# Altium PCB Sensor.PcbDoc (part 2 of 3) (continued)
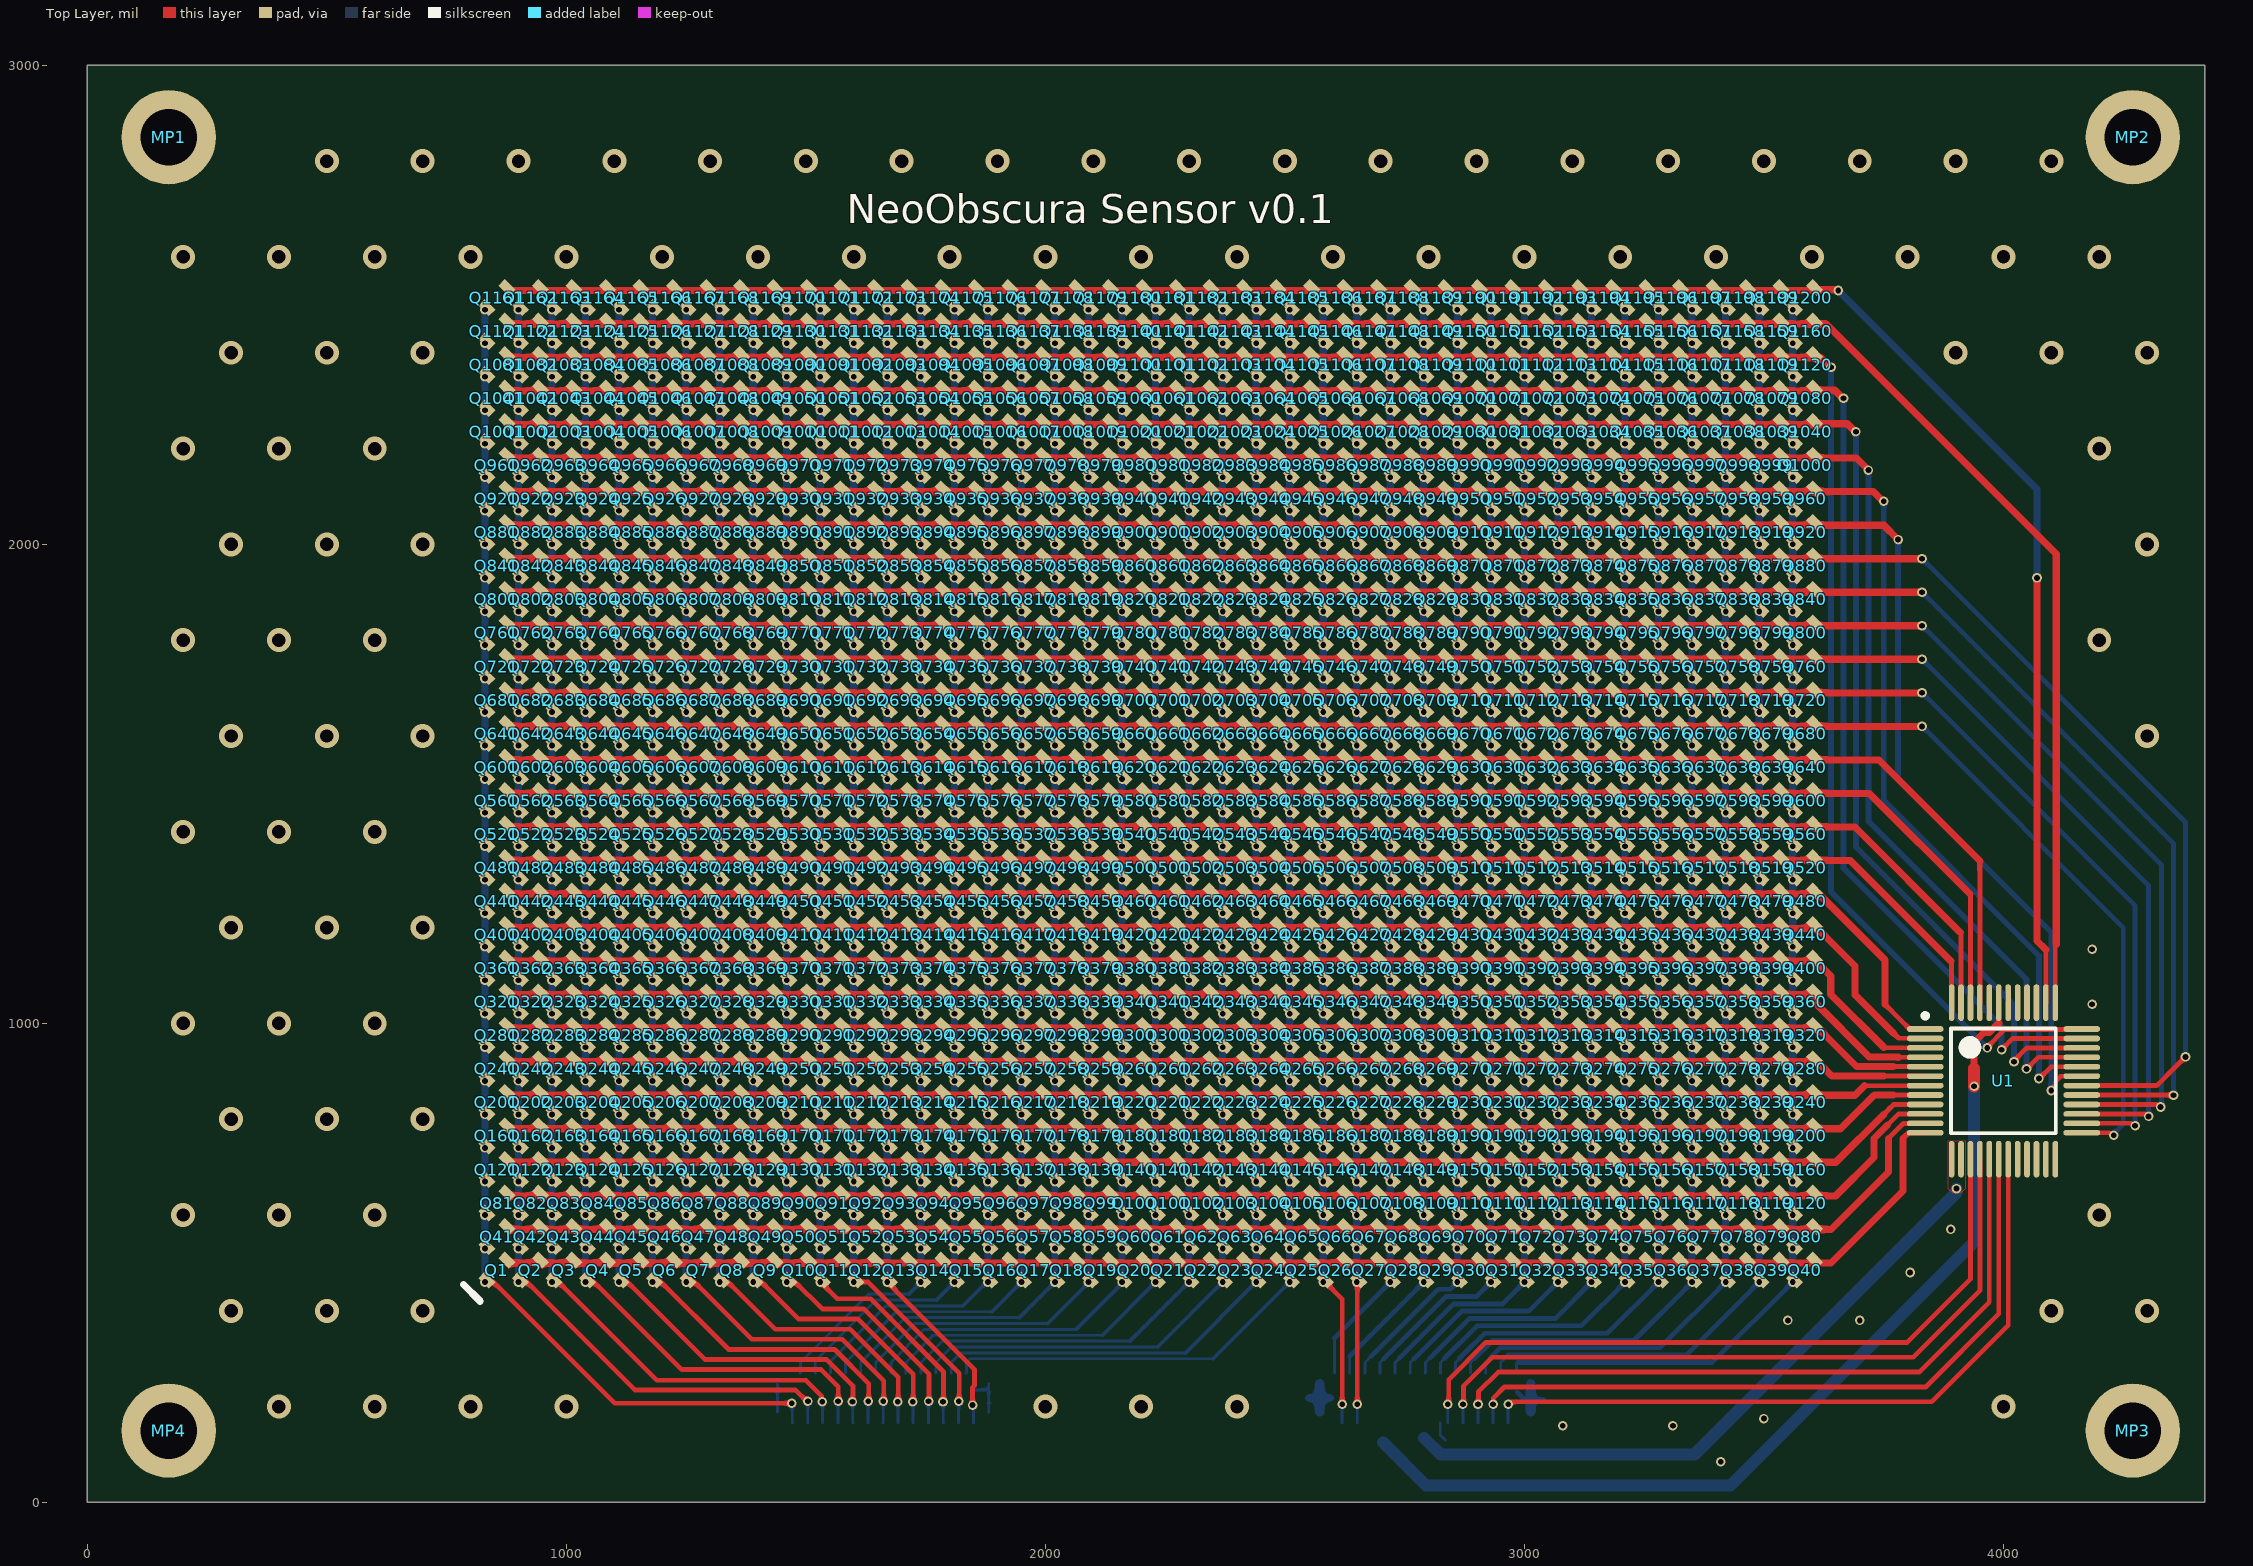
[diagram p0: Top Layer view]
## Components (designator, comment, footprint, x,y, rotation, side; value= is the part's Value field where it differs from the comment) (continued)
Q1174 "PT0805CS" "0805 Phototransistor" 1765,2515 r45 top
Q1175 "PT0805CS" "0805 Phototransistor" 1835,2515 r45 top
Q1176 "PT0805CS" "0805 Phototransistor" 1905,2515 r45 top
Q1177 "PT0805CS" "0805 Phototransistor" 1975,2515 r45 top
Q1178 "PT0805CS" "0805 Phototransistor" 2045,2515 r45 top
Q1179 "PT0805CS" "0805 Phototransistor" 2115,2515 r45 top
Q1180 "PT0805CS" "0805 Phototransistor" 2185,2515 r45 top
Q1181 "PT0805CS" "0805 Phototransistor" 2255,2515 r45 top
Q1182 "PT0805CS" "0805 Phototransistor" 2325,2515 r45 top
Q1183 "PT0805CS" "0805 Phototransistor" 2395,2515 r45 top
Q1184 "PT0805CS" "0805 Phototransistor" 2465,2515 r45 top
Q1185 "PT0805CS" "0805 Phototransistor" 2535,2515 r45 top
Q1186 "PT0805CS" "0805 Phototransistor" 2605,2515 r45 top
Q1187 "PT0805CS" "0805 Phototransistor" 2675,2515 r45 top
Q1188 "PT0805CS" "0805 Phototransistor" 2745,2515 r45 top
Q1189 "PT0805CS" "0805 Phototransistor" 2815,2515 r45 top
Q1190 "PT0805CS" "0805 Phototransistor" 2885,2515 r45 top
Q1191 "PT0805CS" "0805 Phototransistor" 2955,2515 r45 top
Q1192 "PT0805CS" "0805 Phototransistor" 3025,2515 r45 top
Q1193 "PT0805CS" "0805 Phototransistor" 3095,2515 r45 top
Q1194 "PT0805CS" "0805 Phototransistor" 3165,2515 r45 top
Q1195 "PT0805CS" "0805 Phototransistor" 3235,2515 r45 top
Q1196 "PT0805CS" "0805 Phototransistor" 3305,2515 r45 top
Q1197 "PT0805CS" "0805 Phototransistor" 3375,2515 r45 top
Q1198 "PT0805CS" "0805 Phototransistor" 3445,2515 r45 top
Q1199 "PT0805CS" "0805 Phototransistor" 3515,2515 r45 top
Q1200 "PT0805CS" "0805 Phototransistor" 3585,2515 r45 top
U1 "ADG732BSUZ" ADI-SU-48_M 4000,880 r0 top

## Footprints (in the part's own frame and the unit in brackets; to place one, negate y for a bottom-side part, rotate by r counter-clockwise, add the part's x,y. Pads: shape width x height; smd on the part's side, far side on the other; paste and mask are expansions set on the pad)
"0805 Phototransistor" [mm]
  rect 0.5x0.8 smd: C(-0.75,0) E(0.75,0)
  body extent -1.02,-0.54 0.98,0.51, height 1
501745-0501 [mm]
  rect 0.22x0.9 smd: 1(4.8,-1.315) 2(4.8,1.315) 3(4.4,-1.315) 4(4.4,1.315) 5(4,-1.315) 6(4,1.315) 7(3.6,-1.315) 8(3.6,1.315) 9(3.2,-1.315) 10(3.2,1.315) 11(2.8,-1.315) 12(2.8,1.315) 13(2.4,-1.315) 14(2.4,1.315) 15(2,-1.315) 16(2,1.315) 17(1.6,-1.315) 18(1.6,1.315) 19(1.2,-1.315) 20(1.2,1.315) 21(0.8,-1.315) 22(0.8,1.315) 23(0.4,-1.315) 24(0.4,1.315) 25(0,-1.315) 26(0,1.315) 27(-0.4,-1.315) 28(-0.4,1.315) 29(-0.8,-1.315) 30(-0.8,1.315) 31(-1.2,-1.315) 32(-1.2,1.315) 33(-1.6,-1.315) 34(-1.6,1.315) 35(-2,-1.315) 36(-2,1.315) 37(-2.4,-1.315) 38(-2.4,1.315) 39(-2.8,-1.315) 40(-2.8,1.315) 41(-3.2,-1.315) 42(-3.2,1.315) 43(-3.6,-1.315) 44(-3.6,1.315) 45(-4,-1.315) 46(-4,1.315) 47(-4.4,-1.315) 48(-4.4,1.315) 49(-4.8,-1.315) 50(-4.8,1.315)
  rect 0.5x0.85 smd: MP1(5.6,-0.74) MP2(5.6,0.74) MP3(-5.6,-0.74) MP4(-5.6,0.74)
  silkscreen extent 4.75,-2.4 4.85,-2.3, body extent -6,-1.57 6,1.57, height 1.72
ADI-SU-48_M [mm] "QFP, 48-Leads, Body 7x7mm, Pitch 0.5mm, IPC Low Density"
  oval 1.95x0.3 smd: 1(-4.15,2.75) 2(-4.15,2.25) 3(-4.15,1.75) 4(-4.15,1.25) 5(-4.15,0.75) 6(-4.15,0.25) 7(-4.15,-0.25) 8(-4.15,-0.75) 9(-4.15,-1.25) 10(-4.15,-1.75) 11(-4.15,-2.25) 12(-4.15,-2.75) 25(4.15,-2.75) 26(4.15,-2.25) 27(4.15,-1.75) 28(4.15,-1.25) 29(4.15,-0.75) 30(4.15,-0.25) 31(4.15,0.25) 32(4.15,0.75) 33(4.15,1.25) 34(4.15,1.75) 35(4.15,2.25) 36(4.15,2.75)
  oval 0.3x1.95 smd: 13(-2.75,-4.15) 14(-2.25,-4.15) 15(-1.75,-4.15) 16(-1.25,-4.15) 17(-0.75,-4.15) 18(-0.25,-4.15) 19(0.25,-4.15) 20(0.75,-4.15) 21(1.25,-4.15) 22(1.75,-4.15) 23(2.25,-4.15) 24(2.75,-4.15) 37(2.75,4.15) 38(2.25,4.15) 39(1.75,4.15) 40(1.25,4.15) 41(0.75,4.15) 42(0.25,4.15) 43(-0.25,4.15) 44(-0.75,4.15) 45(-1.25,4.15) 46(-1.75,4.15) 47(-2.25,4.15) 48(-2.75,4.15)
  silkscreen extent -4.27,-2.78 2.78,3.57, body extent -3.5,-3.5 3.5,3.5, height 1.2
"M3 MOUNTING HOLE"#1 [mm]
  round 5 hole 3: 1(-0.254,0.762)
"M3 MOUNTING HOLE"#2 [mm]
  round 5 hole 3: 1(0.254,0.762)
"M3 MOUNTING HOLE"#3 [mm]
  round 5 hole 3: 1(0.254,-0.762)
"M3 MOUNTING HOLE"#4 [mm]
  round 5 hole 3: 1(-0.254,-0.762)

## Part data
J1 J2: "Board Connector, 50 Contact(s), 2 Row(s), Male, Straight, 0.016 inch Pitch, Surface Mount Terminal, Locking, Black Insulator, Plug", Manufacturer=Molex, Category="Headers and Wire Housings", ComponentLink1Description=https://datasheet.ciiva.com/401/5017450401-sd-401812.pdf?src-supplier=Digi-Key, ComponentLink1URL=https://datasheet.ciiva.com/401/5017450401-sd-401812.pdf?src-supplier=Digi-Key, ComponentLink2Description=https://datasheet.ciiva.com/5130/5017450501-pcb-headers-155391-5130000.pdf?src-supplier=Mouser, ComponentLink2URL=https://datasheet.ciiva.com/5130/5017450501-pcb-headers-155391-5130000.pdf?src-supplier=Mouser, ComponentLink3Description=https://datasheet.ciiva.com/10071/5017450501-pcb-headers-10071686.pdf?src-supplier=Avnet, ComponentLink3URL=https://datasheet.ciiva.com/10071/5017450501-pcb-headers-10071686.pdf?src-supplier=Avnet, Connector Type="BOARD CONNECTOR", Contact Finish - Mating="NOT SPECIFIED", Manufacturer Part Number=501745-0501, Pricing="1=1.5127, 10=1.3668, 100=1.2034, 1000=1.0168, 2500=0.8155 (USD)", Reach SVHC Compliant=Yes, RoHS=Yes, RoHS Compliant=Yes, Stock=14564, Supplier="Arrow Electronics", Supplier Part Number=501745-0501
Q1 Q2 Q3 Q4 Q5 Q6 Q7 Q8 Q9 Q10 Q11 Q12 Q13 Q14 Q15 Q16 Q17 Q18 Q19 Q20 Q21 Q22 Q23 Q24 Q25 Q26 Q27 Q28 Q29 Q30 Q31 Q32 Q33 Q34 Q35 Q36 Q37 Q38 Q39 Q40 Q41 Q42 Q43 Q44 Q45 Q46 Q47 Q48 Q49 Q50 Q51 Q52 Q53 Q54 Q55 Q56 Q57 Q58 Q59 Q60 Q61 Q62 Q63 Q64 Q65 Q66 Q67 Q68 Q69 Q70 Q71 Q72 Q73 Q74 Q75 Q76 Q77 Q78 Q79 Q80 Q81 Q82 Q83 Q84 Q85 Q86 Q87 Q88 Q89 Q90 Q91 Q92 Q93 Q94 Q95 Q96 Q97 Q98 Q99 Q100 Q101 Q102 Q103 Q104 Q105 Q106 Q107 Q108 Q109 Q110 Q111 Q112 Q113 Q114 Q115 Q116 Q117 Q118 Q119 Q120 Q121 Q122 Q123 Q124 Q125 Q126 Q127 Q128 Q129 Q130 Q131 Q132 Q133 Q134 Q135 Q136 Q137 Q138 Q139 Q140 Q141 Q142 Q143 Q144 Q145 Q146 Q147 Q148 Q149 Q150 Q151 Q152 Q153 Q154 Q155 Q156 Q157 Q158 Q159 Q160 Q161 Q162 Q163 Q164 Q165 Q166 Q167 Q168 Q169 Q170 Q171 Q172 Q173 Q174 Q175 Q176 Q177 Q178 Q179 Q180 Q181 Q182 Q183 Q184 Q185 Q186 Q187 Q188 Q189 Q190 Q191 Q192 Q193 Q194 Q195 Q196 Q197 Q198 Q199 Q200 Q201 Q202 Q203 Q204 Q205 Q206 Q207 Q208 Q209 Q210 Q211 Q212 Q213 Q214 Q215 Q216 Q217 Q218 Q219 Q220 Q221 Q222 Q223 Q224 Q225 Q226 Q227 Q228 Q229 Q230 Q231 Q232 Q233 Q234 Q235 Q236 Q237 Q238 Q239 Q240 Q241 Q242 Q243 Q244 Q245 Q246 Q247 Q248 Q249 Q250 Q251 Q252 Q253 Q254 Q255 Q256 Q257 Q258 Q259 Q260 Q261 Q262 Q263 Q264 Q265 Q266 Q267 Q268 Q269 Q270 Q271 Q272 Q273 Q274 Q275 Q276 Q277 Q278 Q279 Q280 Q281 Q282 Q283 Q284 Q285 Q286 Q287 Q288 Q289 Q290 Q291 Q292 Q293 Q294 Q295 Q296 Q297 Q298 Q299 Q300 Q301 Q302 Q303 Q304 Q305 Q306 Q307 Q308 Q309 Q310 Q311 Q312 Q313 Q314 Q315 Q316 Q317 Q318 Q319 Q320 Q321 Q322 Q323 Q324 Q325 Q326 Q327 Q328 Q329 Q330 Q331 Q332 Q333 Q334 Q335 Q336 Q337 Q338 Q339 Q340 Q341 Q342 Q343 Q344 Q345 Q346 Q347 Q348 Q349 Q350 Q351 Q352 Q353 Q354 Q355 Q356 Q357 Q358 Q359 Q360 Q361 Q362 Q363 Q364 Q365 Q366 Q367 Q368 Q369 Q370 Q371 Q372 Q373 Q374 Q375 Q376 Q377 Q378 Q379 Q380 Q381 Q382 Q383 Q384 Q385 Q386 Q387 Q388 Q389 Q390 Q391 Q392 Q393 Q394 Q395 Q396 Q397 Q398 Q399 Q400 Q401 Q402 Q403 Q404 Q405 Q406 Q407 Q408 Q409 Q410 Q411 Q412 Q413 Q414 Q415 Q416 Q417 Q418 Q419 Q420 Q421 Q422 Q423 Q424 Q425 Q426 Q427 Q428 Q429 Q430 Q431 Q432 Q433 Q434 Q435 Q436 Q437 Q438 Q439 Q440 Q441 Q442 Q443 Q444 Q445 Q446 Q447 Q448 Q449 Q450 Q451 Q452 Q453 Q454 Q455 Q456 Q457 Q458 Q459 Q460 Q461 Q462 Q463 Q464 Q465 Q466 Q467 Q468 Q469 Q470 Q471 Q472 Q473 Q474 Q475 Q476 Q477 Q478 Q479 Q480 Q481 Q482 Q483 Q484 Q485 Q486 Q487 Q488 Q489 Q490 Q491 Q492 Q493 Q494 Q495 Q496 Q497 Q498 Q499 Q500 Q501 Q502 Q503 Q504 Q505 Q506 Q507 Q508 Q509 Q510 Q511 Q512 Q513 Q514 Q515 Q516 Q517 Q518 Q519 Q520 Q521 Q522 Q523 Q524 Q525 Q526 Q527 Q528 Q529 Q530 Q531 Q532 Q533 Q534 Q535 Q536 Q537 Q538 Q539 Q540 Q541 Q542 Q543 Q544 Q545 Q546 Q547 Q548 Q549 Q550 Q551 Q552 Q553 Q554 Q555 Q556 Q557 Q558 Q559 Q560 Q561 Q562 Q563 Q564 Q565 Q566 Q567 Q568 Q569 Q570 Q571 Q572 Q573 Q574 Q575 Q576 Q577 Q578 Q579 Q580 Q581 Q582 Q583 Q584 Q585 Q586 Q587 Q588 Q589 Q590 Q591 Q592 Q593 Q594 Q595 Q596 Q597 Q598 Q599 Q600 Q601 Q602 Q603 Q604 Q605 Q606 Q607 Q608 Q609 Q610 Q611 Q612 Q613 Q614 Q615 Q616 Q617 Q618 Q619 Q620 Q621 Q622 Q623 Q624 Q625 Q626 Q627 Q628 Q629 Q630 Q631 Q632 Q633 Q634 Q635 Q636 Q637 Q638 Q639 Q640 Q641 Q642 Q643 Q644 Q645 Q646 Q647 Q648 Q649 Q650 Q651 Q652 Q653 Q654 Q655 Q656 Q657 Q658 Q659 Q660 Q661 Q662 Q663 Q664 Q665 Q666 Q667 Q668 Q669 Q670 Q671 Q672 Q673 Q674 Q675 Q676 Q677 Q678 Q679 Q680 Q681 Q682 Q683 Q684 Q685 Q686 Q687 Q688 Q689 Q690 Q691 Q692 Q693 Q694 Q695 Q696 Q697 Q698 Q699 Q700 Q701 Q702 Q703 Q704 Q705 Q706 Q707 Q708 Q709 Q710 Q711 Q712 Q713 Q714 Q715 Q716 Q717 Q718 Q719 Q720 Q721 Q722 Q723 Q724 Q725 Q726 Q727 Q728 Q729 Q730 Q731 Q732 Q733 Q734 Q735 Q736 Q737 Q738 Q739 Q740 Q741 Q742 Q743 Q744 Q745 Q746 Q747 Q748 Q749 Q750 Q751 Q752 Q753 Q754 Q755 Q756 Q757 Q758 Q759 Q760 Q761 Q762 Q763 Q764 Q765 Q766 Q767 Q768 Q769 Q770 Q771 Q772 Q773 Q774 Q775 Q776 Q777 Q778 Q779 Q780 Q781 Q782 Q783 Q784 Q785 Q786 Q787 Q788 Q789 Q790 Q791 Q792 Q793 Q794 Q795 Q796 Q797 Q798 Q799 Q800 Q801 Q802 Q803 Q804 Q805 Q806 Q807 Q808 Q809 Q810 Q811 Q812 Q813 Q814 Q815 Q816 Q817 Q818 Q819 Q820 Q821 Q822 Q823 Q824 Q825 Q826 Q827 Q828 Q829 Q830 Q831 Q832 Q833 Q834 Q835 Q836 Q837 Q838 Q839 Q840 Q841 Q842 Q843 Q844 Q845 Q846 Q847 Q848 Q849 Q850 Q851 Q852 Q853 Q854 Q855 Q856 Q857 Q858 Q859 Q860 Q861 Q862 Q863 Q864 Q865 Q866 Q867 Q868 Q869 Q870 Q871 Q872 Q873 Q874 Q875 Q876 Q877 Q878 Q879 Q880 Q881 Q882 Q883 Q884 Q885 Q886 Q887 Q888 Q889 Q890 Q891 Q892 Q893 Q894 Q895 Q896 Q897 Q898 Q899 Q900 Q901 Q902 Q903 Q904 Q905 Q906 Q907 Q908 Q909 Q910 Q911 Q912 Q913 Q914 Q915 Q916 Q917 Q918 Q919 Q920 Q921 Q922 Q923 Q924 Q925 Q926 Q927 Q928 Q929 Q930 Q931 Q932 Q933 Q934 Q935 Q936 Q937 Q938 Q939 Q940 Q941 Q942 Q943 Q944 Q945 Q946 Q947 Q948 Q949 Q950 Q951 Q952 Q953 Q954 Q955 Q956 Q957 Q958 Q959 Q960 Q961 Q962 Q963 Q964 Q965 Q966 Q967 Q968 Q969 Q970 Q971 Q972 Q973 Q974 Q975 Q976 Q977 Q978 Q979 Q980 Q981 Q982 Q983 Q984 Q985 Q986 Q987 Q988 Q989 Q990 Q991 Q992 Q993 Q994 Q995 Q996 Q997 Q998 Q999 Q1000 Q1001 Q1002 Q1003 Q1004 Q1005 Q1006 Q1007 Q1008 Q1009 Q1010 Q1011 Q1012 Q1013 Q1014 Q1015 Q1016 Q1017 Q1018 Q1019 Q1020 Q1021 Q1022 Q1023 Q1024 Q1025 Q1026 Q1027 Q1028 Q1029 Q1030 Q1031 Q1032 Q1033 Q1034 Q1035 Q1036 Q1037 Q1038 Q1039 Q1040 Q1041 Q1042 Q1043 Q1044 Q1045 Q1046 Q1047 Q1048 Q1049 Q1050 Q1051 Q1052 Q1053 Q1054 Q1055 Q1056 Q1057 Q1058 Q1059 Q1060 Q1061 Q1062 Q1063 Q1064 Q1065 Q1066 Q1067 Q1068 Q1069 Q1070 Q1071 Q1072 Q1073 Q1074 Q1075 Q1076 Q1077 Q1078 Q1079 Q1080 Q1081 Q1082 Q1083 Q1084 Q1085 Q1086 Q1087 Q1088 Q1089 Q1090 Q1091 Q1092 Q1093 Q1094 Q1095 Q1096 Q1097 Q1098 Q1099 Q1100 Q1101 Q1102 Q1103 Q1104 Q1105 Q1106 Q1107 Q1108 Q1109 Q1110 Q1111 Q1112 Q1113 Q1114 Q1115 Q1116 Q1117 Q1118 Q1119 Q1120 Q1121 Q1122 Q1123 Q1124 Q1125 Q1126 Q1127 Q1128 Q1129 Q1130 Q1131 Q1132 Q1133 Q1134 Q1135 Q1136 Q1137 Q1138 Q1139 Q1140 Q1141 Q1142 Q1143 Q1144 Q1145 Q1146 Q1147 Q1148 Q1149 Q1150 Q1151 Q1152 Q1153 Q1154 Q1155 Q1156 Q1157 Q1158 Q1159 Q1160 Q1161 Q1162 Q1163 Q1164 Q1165 Q1166 Q1167 Q1168 Q1169 Q1170 Q1171 Q1172 Q1173 Q1174 Q1175 Q1176 Q1177 Q1178 Q1179 Q1180 Q1181 Q1182 Q1183 Q1184 Q1185 Q1186 Q1187 Q1188 Q1189 Q1190 Q1191 Q1192 Q1193 Q1194 Q1195 Q1196 Q1197 Q1198 Q1199 Q1200: "Phototransistor"
U1: library part CMP-0798-00241-1, "1.8 to 5.5 V / +/-2.5 V, 4 Ohm, 32-Channel Analog Multiplexer, -40 to 85 degC, 48-pin QFP (SU-48), Tray", Manufacturer="Analog Devices", Bandwidth (Hz)=18M, Code_JEDEC=MS-026ABC, ComponentLink1Description="Manufacturer URL", ComponentLink1URL=http://www.analog.com/en/index.html, ComponentLink2Description=Datasheet, ComponentLink2URL=http://www.analog.com/static/imported-files/data_sheets/ADG726_732.pdf, ComponentLink3Description="Package Specification", ComponentLink3URL=http://www.analog.com/static/imported-files/packages/470644706845302410119987SU48_7x7.pdf, DatasheetVersion="Rev. 0", Max Analog Signal Range="Vss to Vdd", Mounting Technology="Surface Mount", PackageDescription="48-Pin Thin Plastic Quad Flat Package, Body 7 x 7 mm, Pitch 0.5 mm", PackageReference=SU-48, Packing=Tray, PartNumber=ADG732BSUZ, Ron (ohms)=4, Supply V Guar Performance="Dual_(+/-2.5V), Single_(+3V), Single_(+5V)", t transition (s)=23n

## Via types
v1: diameter 20, hole 12, Top Layer to Bottom Layer, 1258 vias
v2: diameter 50, hole 28, Top Layer to Bottom Layer, 91 vias

## Nets (pads, with @x,y where several pads share a name; then routed paths per layer and width w, separated by ;. In a path a pad name is that pad's centre, name@x,y a point inside that pad or via, vN(x,y) a via of type N, cw(c..) or ccw(c..) an arc to the next point about the centre after c; other vN are vias at no path point)
+5: J1.24 J1.26 J1.28 J1.30 U1.13 U1.14 | length 1361.2
  Bottom Layer w25: 2790,135 2825,100 3355,100 3901.95,646.95 v1(3901.95,655.2)
COL_0: J2.1 Q1.C Q41.C Q81.C Q121.C Q161.C Q201.C Q241.C Q281.C Q321.C Q361.C Q401.C Q441.C Q481.C Q521.C Q561.C Q601.C Q641.C Q681.C Q721.C Q761.C Q801.C Q841.C Q881.C Q921.C Q961.C Q1001.C Q1041.C Q1081.C Q1121.C Q1161.C | length 2816.6
  Top Layer w6: v1(830,460) Q1.C@847.92,460
  Top Layer w10: Q1.C@847.92,460 1100.94,206.98 v1(1470.6,206.98)
  Bottom Layer w6: v1(1470.6,206.98) 1471.44,206.14 1471.44,167.3 J2.1@1472.28,166.46
  Bottom Layer w15: v1(830,460) v1(830,530) v1(830,600) v1(830,670) v1(830,740) v1(830,810) v1(830,880) v1(830,950) v1(830,1020) v1(830,1090) v1(830,1160) v1(830,1230) v1(830,1300) v1(830,1370) v1(830,1440) v1(830,1510) v1(830,1580) v1(830,1650) v1(830,1720) v1(830,1790) v1(830,1860) v1(830,1930) v1(830,2000) v1(830,2070) v1(830,2140) v1(830,2210) v1(830,2280) v1(830,2350) v1(830,2420) v1(830,2490)
COL_1: J2.5 Q2.C Q42.C Q82.C Q122.C Q162.C Q202.C Q242.C Q282.C Q322.C Q362.C Q402.C Q442.C Q482.C Q522.C Q562.C Q602.C Q642.C Q682.C Q722.C Q762.C Q802.C Q842.C Q882.C Q922.C Q962.C Q1002.C Q1042.C Q1082.C Q1122.C Q1162.C | length 2782.3
  Top Layer w6: v1(900,460) Q2.C@917.92,460
  Top Layer w10: Q2.C@917.92,460 1142.92,235 1477.93,235 1501.52,211.41 v1(1504.23,211.41)
  Bottom Layer w6: J2.5@1503.78,166.46 1504,166.68 1504,211.19 v1(1504.23,211.41)
  Bottom Layer w15: v1(900,460) v1(900,530) v1(900,600) v1(900,670) v1(900,740) v1(900,810) v1(900,880) v1(900,950) v1(900,1020) v1(900,1090) v1(900,1160) v1(900,1230) v1(900,1300) v1(900,1370) v1(900,1440) v1(900,1510) v1(900,1580) v1(900,1650) v1(900,1720) v1(900,1790) v1(900,1860) v1(900,1930) v1(900,2000) v1(900,2070) v1(900,2140) v1(900,2210) v1(900,2280) v1(900,2350) v1(900,2420) v1(900,2490)
COL_2: J2.9 Q3.C Q43.C Q83.C Q123.C Q163.C Q203.C Q243.C Q283.C Q323.C Q363.C Q403.C Q443.C Q483.C Q523.C Q563.C Q603.C Q643.C Q683.C Q723.C Q763.C Q803.C Q843.C Q883.C Q923.C Q963.C Q1003.C Q1043.C Q1083.C Q1123.C Q1163.C | length 2745.7
  Top Layer w6: Q3.C@974.12,464.12 Q3.C@979.91,464.12
  Top Layer w10: Q3.C@979.91,464.12 1189.03,255 1500,255 1532.3,222.7 1532.3,212.34 v1(1534.21,210.43)
  Bottom Layer w6: v1(1534.21,210.43) 1534.86,209.78 1534.86,166.87 J2.9@1535.28,166.46
  Bottom Layer w15: v1(970,460) v1(970,530) v1(970,600) v1(970,670) v1(970,740) v1(970,810) v1(970,880) v1(970,950) v1(970,1020) v1(970,1090) v1(970,1160) v1(970,1230) v1(970,1300) v1(970,1370) v1(970,1440) v1(970,1510) v1(970,1580) v1(970,1650) v1(970,1720) v1(970,1790) v1(970,1860) v1(970,1930) v1(970,2000) v1(970,2070) v1(970,2140) v1(970,2210) v1(970,2280) v1(970,2350) v1(970,2420) v1(970,2490)
COL_3: J2.13 Q4.C Q44.C Q84.C Q124.C Q164.C Q204.C Q244.C Q284.C Q324.C Q364.C Q404.C Q444.C Q484.C Q524.C Q564.C Q604.C Q644.C Q684.C Q724.C Q764.C Q804.C Q844.C Q884.C Q924.C Q964.C Q1004.C Q1044.C Q1084.C Q1124.C Q1164.C | length 2723.5
  Top Layer w6: v1(1040,460) Q4.C@1057.92,460
  Top Layer w10: Q4.C@1057.92,460 1240.7,277.22 1531.77,277.22 1567.65,241.34 1567.65,211.84 v1(1567.15,211.34)
  Bottom Layer w6: J2.13@1566.77,166.46 1566.96,166.65 1566.96,211.15 v1(1567.15,211.34)
  Bottom Layer w15: v1(1040,460) v1(1040,530) v1(1040,600) v1(1040,670) v1(1040,740) v1(1040,810) v1(1040,880) v1(1040,950) v1(1040,1020) v1(1040,1090) v1(1040,1160) v1(1040,1230) v1(1040,1300) v1(1040,1370) v1(1040,1440) v1(1040,1510) v1(1040,1580) v1(1040,1650) v1(1040,1720) v1(1040,1790) v1(1040,1860) v1(1040,1930) v1(1040,2000) v1(1040,2070) v1(1040,2140) v1(1040,2210) v1(1040,2280) v1(1040,2350) v1(1040,2420) v1(1040,2490)
COL_4: J2.17 Q5.C Q45.C Q85.C Q125.C Q165.C Q205.C Q245.C Q285.C Q325.C Q365.C Q405.C Q445.C Q485.C Q525.C Q565.C Q605.C Q645.C Q685.C Q725.C Q765.C Q805.C Q845.C Q885.C Q925.C Q965.C Q1005.C Q1045.C Q1085.C Q1125.C Q1165.C | length 2687.5
  Top Layer w6: v1(1110,460) Q5.C@1114.12,460 ; Q5.C@1114.12,464.12 Q5.C@1123.8,464.12
  Top Layer w10: Q5.C@1123.8,464.12 1289.59,298.33 1543.3,298.33 1598.27,243.36 1598.27,211.49 v1(1597.2,210.43)
  Bottom Layer w6: v1(1597.2,210.43) 1597.85,209.78 1597.85,166.87 J2.17@1598.27,166.46
  Bottom Layer w15: v1(1110,460) v1(1110,530) v1(1110,600) v1(1110,670) v1(1110,740) v1(1110,810) v1(1110,880) v1(1110,950) v1(1110,1020) v1(1110,1090) v1(1110,1160) v1(1110,1230) v1(1110,1300) v1(1110,1370) v1(1110,1440) v1(1110,1510) v1(1110,1580) v1(1110,1650) v1(1110,1720) v1(1110,1790) v1(1110,1860) v1(1110,1930) v1(1110,2000) v1(1110,2070) v1(1110,2140) v1(1110,2210) v1(1110,2280) v1(1110,2350) v1(1110,2420) v1(1110,2490)
COL_5: J2.21 Q6.C Q46.C Q86.C Q126.C Q166.C Q206.C Q246.C Q286.C Q326.C Q366.C Q406.C Q446.C Q486.C Q526.C Q566.C Q606.C Q646.C Q686.C Q726.C Q766.C Q806.C Q846.C Q886.C Q926.C Q966.C Q1006.C Q1046.C Q1086.C Q1126.C Q1166.C | length 2652.9
  Top Layer w6: v1(1180,460) Q6.C@1184.12,460 ; Q6.C@1184.12,464.12 Q6.C@1193.8,464.12
  Top Layer w10: Q6.C@1193.8,464.12 1338.47,319.44 1559.76,319.44 1631.21,248 1631.21,212.41 v1(1630.15,211.34)
  Bottom Layer w6: J2.21@1629.76,166.46 1629.95,166.65 1629.95,211.15 v1(1630.15,211.34)
  Bottom Layer w15: v1(1180,460) v1(1180,530) v1(1180,600) v1(1180,670) v1(1180,740) v1(1180,810) v1(1180,880) v1(1180,950) v1(1180,1020) v1(1180,1090) v1(1180,1160) v1(1180,1230) v1(1180,1300) v1(1180,1370) v1(1180,1440) v1(1180,1510) v1(1180,1580) v1(1180,1650) v1(1180,1720) v1(1180,1790) v1(1180,1860) v1(1180,1930) v1(1180,2000) v1(1180,2070) v1(1180,2140) v1(1180,2210) v1(1180,2280) v1(1180,2350) v1(1180,2420) v1(1180,2490)
COL_6: J2.25 Q7.C Q47.C Q87.C Q127.C Q167.C Q207.C Q247.C Q287.C Q327.C Q367.C Q407.C Q447.C Q487.C Q527.C Q567.C Q607.C Q647.C Q687.C Q727.C Q767.C Q807.C Q847.C Q887.C Q927.C Q967.C Q1007.C Q1047.C Q1087.C Q1127.C Q1167.C | length 2616.2
  Top Layer w6: v1(1250,460) Q7.C@1267.92,460
  Top Layer w10: Q7.C@1267.92,460 1387.36,340.56 1576.26,340.56 1662.7,254.11 1662.7,212.41 v1(1661.64,211.34)
  Bottom Layer w6: J2.25@1661.26,166.46 1661.45,166.65 1661.45,211.15 v1(1661.64,211.34)
  Bottom Layer w15: v1(1250,460) v1(1250,530) v1(1250,600) v1(1250,670) v1(1250,740) v1(1250,810) v1(1250,880) v1(1250,950) v1(1250,1020) v1(1250,1090) v1(1250,1160) v1(1250,1230) v1(1250,1300) v1(1250,1370) v1(1250,1440) v1(1250,1510) v1(1250,1580) v1(1250,1650) v1(1250,1720) v1(1250,1790) v1(1250,1860) v1(1250,1930) v1(1250,2000) v1(1250,2070) v1(1250,2140) v1(1250,2210) v1(1250,2280) v1(1250,2350) v1(1250,2420) v1(1250,2490)
COL_7: J2.29 Q8.C Q48.C Q88.C Q128.C Q168.C Q208.C Q248.C Q288.C Q328.C Q368.C Q408.C Q448.C Q488.C Q528.C Q568.C Q608.C Q648.C Q688.C Q728.C Q768.C Q808.C Q848.C Q888.C Q928.C Q968.C Q1008.C Q1048.C Q1088.C Q1128.C Q1168.C | length 2581
  Top Layer w6: v1(1320,460) Q8.C@1337.92,460
  Top Layer w10: Q8.C@1337.92,460 1436.25,361.67 1592.76,361.67 1692.76,261.67 1692.76,211.49 v1(1691.69,210.43)
  Bottom Layer w6: v1(1691.69,210.43) 1692.34,209.78 1692.34,166.87 J2.29@1692.76,166.46
  Bottom Layer w15: v1(1320,460) v1(1320,530) v1(1320,600) v1(1320,670) v1(1320,740) v1(1320,810) v1(1320,880) v1(1320,950) v1(1320,1020) v1(1320,1090) v1(1320,1160) v1(1320,1230) v1(1320,1300) v1(1320,1370) v1(1320,1440) v1(1320,1510) v1(1320,1580) v1(1320,1650) v1(1320,1720) v1(1320,1790) v1(1320,1860) v1(1320,1930) v1(1320,2000) v1(1320,2070) v1(1320,2140) v1(1320,2210) v1(1320,2280) v1(1320,2350) v1(1320,2420) v1(1320,2490)
COL_8: J2.33 Q9.C Q49.C Q89.C Q129.C Q169.C Q209.C Q249.C Q289.C Q329.C Q369.C Q409.C Q449.C Q489.C Q529.C Q569.C Q609.C Q649.C Q689.C Q729.C Q769.C Q809.C Q849.C Q889.C Q929.C Q969.C Q1009.C Q1049.C Q1089.C Q1129.C Q1169.C | length 2546.1
  Top Layer w6: v1(1390,460) Q9.C@1407.92,460
  Top Layer w10: Q9.C@1407.92,460 1485.14,382.78 1609.25,382.78 1724.25,267.78 1724.25,211.49 v1(1723.19,210.43)
  Bottom Layer w6: v1(1723.19,210.43) 1723.83,209.78 1723.83,166.87 J2.33@1724.25,166.46
  Bottom Layer w15: v1(1390,460) v1(1390,530) v1(1390,600) v1(1390,670) v1(1390,740) v1(1390,810) v1(1390,880) v1(1390,950) v1(1390,1020) v1(1390,1090) v1(1390,1160) v1(1390,1230) v1(1390,1300) v1(1390,1370) v1(1390,1440) v1(1390,1510) v1(1390,1580) v1(1390,1650) v1(1390,1720) v1(1390,1790) v1(1390,1860) v1(1390,1930) v1(1390,2000) v1(1390,2070) v1(1390,2140) v1(1390,2210) v1(1390,2280) v1(1390,2350) v1(1390,2420) v1(1390,2490)
COL_9: J2.37 Q10.C Q50.C Q90.C Q130.C Q170.C Q210.C Q250.C Q290.C Q330.C Q370.C Q410.C Q450.C Q490.C Q530.C Q570.C Q610.C Q650.C Q690.C Q730.C Q770.C Q810.C Q850.C Q890.C Q930.C Q970.C Q1010.C Q1050.C Q1090.C Q1130.C Q1170.C | length 2508.5
  Top Layer w6: v1(1460,460) Q10.C@1477.92,460
  Top Layer w10: Q10.C@1477.92,460 1534.03,403.89 1620.75,403.89 1757.19,267.44 1757.19,212.41 v1(1756.13,211.34)
  Bottom Layer w6: J2.37@1755.75,166.46 1755.94,166.65 1755.94,211.15 v1(1756.13,211.34)
  Bottom Layer w15: v1(1460,460) v1(1460,530) v1(1460,600) v1(1460,670) v1(1460,740) v1(1460,810) v1(1460,880) v1(1460,950) v1(1460,1020) v1(1460,1090) v1(1460,1160) v1(1460,1230) v1(1460,1300) v1(1460,1370) v1(1460,1440) v1(1460,1510) v1(1460,1580) v1(1460,1650) v1(1460,1720) v1(1460,1790) v1(1460,1860) v1(1460,1930) v1(1460,2000) v1(1460,2070) v1(1460,2140) v1(1460,2210) v1(1460,2280) v1(1460,2350) v1(1460,2420) v1(1460,2490)
COL_10: J2.41 Q11.C Q51.C Q91.C Q131.C Q171.C Q211.C Q251.C Q291.C Q331.C Q371.C Q411.C Q451.C Q491.C Q531.C Q571.C Q611.C Q651.C Q691.C Q731.C Q771.C Q811.C Q851.C Q891.C Q931.C Q971.C Q1011.C Q1051.C Q1091.C Q1131.C Q1171.C | length 2472.1
  Top Layer w6: v1(1530,460) Q11.C@1530.06,459.94
  Top Layer w10: v1(1530,460) 1565,425 1635,425 1787.24,272.76 1787.24,211.49 v1(1786.18,210.43)
  Bottom Layer w6: v1(1786.18,210.43) 1786.83,209.78 1786.83,166.87 J2.41@1787.24,166.46
  Bottom Layer w15: v1(1530,460) v1(1530,530) v1(1530,600) v1(1530,670) v1(1530,740) v1(1530,810) v1(1530,880) v1(1530,950) v1(1530,1020) v1(1530,1090) v1(1530,1160) v1(1530,1230) v1(1530,1300) v1(1530,1370) v1(1530,1440) v1(1530,1510) v1(1530,1580) v1(1530,1650) v1(1530,1720) v1(1530,1790) v1(1530,1860) v1(1530,1930) v1(1530,2000) v1(1530,2070) v1(1530,2140) v1(1530,2210) v1(1530,2280) v1(1530,2350) v1(1530,2420) v1(1530,2490)
COL_11: J2.45 Q12.C Q52.C Q92.C Q132.C Q172.C Q212.C Q252.C Q292.C Q332.C Q372.C Q412.C Q452.C Q492.C Q532.C Q572.C Q612.C Q652.C Q692.C Q732.C Q772.C Q812.C Q852.C Q892.C Q932.C Q972.C Q1012.C Q1052.C Q1092.C Q1132.C Q1172.C | length 2433
  Top Layer w6: v1(1600,460) 1600.06,459.94 1617.97,459.94 Q12.C@1618.03,460
  Top Layer w10: Q12.C@1618.03,460 1630,460 1820.18,269.82 1820.18,212.41 v1(1819.12,211.34)
  Bottom Layer w6: J2.45@1818.74,166.46 1818.93,166.65 1818.93,211.15 v1(1819.12,211.34)
  Bottom Layer w15: v1(1600,460) v1(1600,530) v1(1600,600) v1(1600,670) v1(1600,740) v1(1600,810) v1(1600,880) v1(1600,950) v1(1600,1020) v1(1600,1090) v1(1600,1160) v1(1600,1230) v1(1600,1300) v1(1600,1370) v1(1600,1440) v1(1600,1510) v1(1600,1580) v1(1600,1650) v1(1600,1720) v1(1600,1790) v1(1600,1860) v1(1600,1930) v1(1600,2000) v1(1600,2070) v1(1600,2140) v1(1600,2210) v1(1600,2280) v1(1600,2350) v1(1600,2420) v1(1600,2490)
COL_12: J2.49 Q13.C Q53.C Q93.C Q133.C Q173.C Q213.C Q253.C Q293.C Q333.C Q373.C Q413.C Q453.C Q493.C Q533.C Q573.C Q613.C Q653.C Q693.C Q733.C Q773.C Q813.C Q853.C Q893.C Q933.C Q973.C Q1013.C Q1053.C Q1093.C Q1133.C Q1173.C | length 2401.4
  Top Layer w10: v1(1670,460) 1851.89,278.11 1851.89,243.96 1848,240.08 v1(1848,203.23)
  Bottom Layer w6: v1(1848,203.23) 1849.82,201.41 1849.82,166.87 J2.49@1850.24,166.46
  Bottom Layer w15: v1(1670,460) v1(1670,530) v1(1670,600) v1(1670,670) v1(1670,740) v1(1670,810) v1(1670,880) v1(1670,950) v1(1670,1020) v1(1670,1090) v1(1670,1160) v1(1670,1230) v1(1670,1300) v1(1670,1370) v1(1670,1440) v1(1670,1510) v1(1670,1580) v1(1670,1650) v1(1670,1720) v1(1670,1790) v1(1670,1860) v1(1670,1930) v1(1670,2000) v1(1670,2070) v1(1670,2140) v1(1670,2210) v1(1670,2280) v1(1670,2350) v1(1670,2420) v1(1670,2490)
COL_13: J2.4 Q14.C Q54.C Q94.C Q134.C Q174.C Q214.C Q254.C Q294.C Q334.C Q374.C Q414.C Q454.C Q494.C Q534.C Q574.C Q614.C Q654.C Q694.C Q734.C Q774.C Q814.C Q854.C Q894.C Q934.C Q974.C Q1014.C Q1054.C Q1094.C Q1134.C Q1174.C | length 2373.5
  Bottom Layer w6: J2.4@1488.03,270 1488.45,270.42 1488.45,292.27 1631.18,435 1715,435
  Bottom Layer w8: 1715,435 v1(1740,460)
  Bottom Layer w15: v1(1740,460) v1(1740,530) v1(1740,600) v1(1740,670) v1(1740,740) v1(1740,810) v1(1740,880) v1(1740,950) v1(1740,1020) v1(1740,1090) v1(1740,1160) v1(1740,1230) v1(1740,1300) v1(1740,1370) v1(1740,1440) v1(1740,1510) v1(1740,1580) v1(1740,1650) v1(1740,1720) v1(1740,1790) v1(1740,1860) v1(1740,1930) v1(1740,2000) v1(1740,2070) v1(1740,2140) v1(1740,2210) v1(1740,2280) v1(1740,2350) v1(1740,2420) v1(1740,2490)
COL_14: J2.8 Q15.C Q55.C Q95.C Q135.C Q175.C Q215.C Q255.C Q295.C Q335.C Q375.C Q415.C Q455.C Q495.C Q535.C Q575.C Q615.C Q655.C Q695.C Q735.C Q775.C Q815.C Q855.C Q895.C Q935.C Q975.C Q1015.C Q1055.C Q1095.C Q1135.C Q1175.C | length 2414.2
  Bottom Layer w6: J2.8@1519.53,270 1519.53,295.58 1646.67,422.73 1772.73,422.73
  Bottom Layer w8: 1772.73,422.73 v1(1810,460)
  Bottom Layer w15: v1(1810,460) v1(1810,530) v1(1810,600) v1(1810,670) v1(1810,740) v1(1810,810) v1(1810,880) v1(1810,950) v1(1810,1020) v1(1810,1090) v1(1810,1160) v1(1810,1230) v1(1810,1300) v1(1810,1370) v1(1810,1440) v1(1810,1510) v1(1810,1580) v1(1810,1650) v1(1810,1720) v1(1810,1790) v1(1810,1860) v1(1810,1930) v1(1810,2000) v1(1810,2070) v1(1810,2140) v1(1810,2210) v1(1810,2280) v1(1810,2350) v1(1810,2420) v1(1810,2490)
COL_15: J2.12 Q16.C Q56.C Q96.C Q136.C Q176.C Q216.C Q256.C Q296.C Q336.C Q376.C Q416.C Q456.C Q496.C Q536.C Q576.C Q616.C Q656.C Q696.C Q736.C Q776.C Q816.C Q856.C Q896.C Q936.C Q976.C Q1016.C Q1056.C Q1096.C Q1136.C Q1176.C | length 2451.9
  Bottom Layer w6: J2.12@1551.02,270 1551.02,294.31 1667.17,410.45 1828,410.45 ; v1@1877.55,460 v1(1880,460)
  Bottom Layer w8: 1828,410.45 v1@1877.55,460
  Bottom Layer w15: v1(1880,460) v1(1880,530) v1(1880,600) v1(1880,670) v1(1880,740) v1(1880,810) v1(1880,880) v1(1880,950) v1(1880,1020) v1(1880,1090) v1(1880,1160) v1(1880,1230) v1(1880,1300) v1(1880,1370) v1(1880,1440) v1(1880,1510) v1(1880,1580) v1(1880,1650) v1(1880,1720) v1(1880,1790) v1(1880,1860) v1(1880,1930) v1(1880,2000) v1(1880,2070) v1(1880,2140) v1(1880,2210) v1(1880,2280) v1(1880,2350) v1(1880,2420) v1(1880,2490)
COL_16: J2.16 Q17.C Q57.C Q97.C Q137.C Q177.C Q217.C Q257.C Q297.C Q337.C Q377.C Q417.C Q457.C Q497.C Q537.C Q577.C Q617.C Q657.C Q697.C Q737.C Q777.C Q817.C Q857.C Q897.C Q937.C Q977.C Q1017.C Q1057.C Q1097.C Q1137.C Q1177.C | length 2488.5
  Bottom Layer w6: J2.16@1582.52,270 1582.94,270.42 1582.94,292.27 1687.66,397 ; 1687.66,398.18 1888.18,398.18
  Bottom Layer w8: 1888.18,398.18 v1(1950,460)
  Bottom Layer w15: v1(1950,460) v1(1950,530) v1(1950,600) v1(1950,670) v1(1950,740) v1(1950,810) v1(1950,880) v1(1950,950) v1(1950,1020) v1(1950,1090) v1(1950,1160) v1(1950,1230) v1(1950,1300) v1(1950,1370) v1(1950,1440) v1(1950,1510) v1(1950,1580) v1(1950,1650) v1(1950,1720) v1(1950,1790) v1(1950,1860) v1(1950,1930) v1(1950,2000) v1(1950,2070) v1(1950,2140) v1(1950,2210) v1(1950,2280) v1(1950,2350) v1(1950,2420) v1(1950,2490)
COL_17: J2.20 Q18.C Q58.C Q98.C Q138.C Q178.C Q218.C Q258.C Q298.C Q338.C Q378.C Q418.C Q458.C Q498.C Q538.C Q578.C Q618.C Q658.C Q698.C Q738.C Q778.C Q818.C Q858.C Q898.C Q938.C Q978.C Q1018.C Q1058.C Q1098.C Q1138.C Q1178.C | length 2527.5
  Bottom Layer w6: J2.20@1614.02,270 1614.43,270.42 1614.43,292.27 1708.16,386 ; 1708.16,385.91 1946,385.91
  Bottom Layer w8: 1946,386 v1(2020,460)
  Bottom Layer w15: v1(2020,460) v1(2020,530) v1(2020,600) v1(2020,670) v1(2020,740) v1(2020,810) v1(2020,880) v1(2020,950) v1(2020,1020) v1(2020,1090) v1(2020,1160) v1(2020,1230) v1(2020,1300) v1(2020,1370) v1(2020,1440) v1(2020,1510) v1(2020,1580) v1(2020,1650) v1(2020,1720) v1(2020,1790) v1(2020,1860) v1(2020,1930) v1(2020,2000) v1(2020,2070) v1(2020,2140) v1(2020,2210) v1(2020,2280) v1(2020,2350) v1(2020,2420) v1(2020,2490)
COL_18: J2.24 Q19.C Q59.C Q99.C Q139.C Q179.C Q219.C Q259.C Q299.C Q339.C Q379.C Q419.C Q459.C Q499.C Q539.C Q579.C Q619.C Q659.C Q699.C Q739.C Q779.C Q819.C Q859.C Q899.C Q939.C Q979.C Q1019.C Q1059.C Q1099.C Q1139.C Q1179.C | length 2566.8
  Bottom Layer w6: J2.24@1645.51,270 1645.93,270.42 1645.93,292.27 1727.29,373.64 2005,373.64 ; v1@2090,458.64 v1(2090,460)
  Bottom Layer w8: 2005,373.64 v1@2090,458.64
  Bottom Layer w15: v1(2090,460) v1(2090,530) v1(2090,600) v1(2090,670) v1(2090,740) v1(2090,810) v1(2090,880) v1(2090,950) v1(2090,1020) v1(2090,1090) v1(2090,1160) v1(2090,1230) v1(2090,1300) v1(2090,1370) v1(2090,1440) v1(2090,1510) v1(2090,1580) v1(2090,1650) v1(2090,1720) v1(2090,1790) v1(2090,1860) v1(2090,1930) v1(2090,2000) v1(2090,2070) v1(2090,2140) v1(2090,2210) v1(2090,2280) v1(2090,2350) v1(2090,2420) v1(2090,2490)